# Altium PCB PCB.PcbDoc
Units mm, origin at the board's own origin, x right, y up, seen from the top; angles counter-clockwise.
Board outline 55 x 115 mm, 2 copper layers (Top Layer, Bottom Layer), stack 3 mm thick; 39 components, 19 nets, 99 pads, 21 vias.
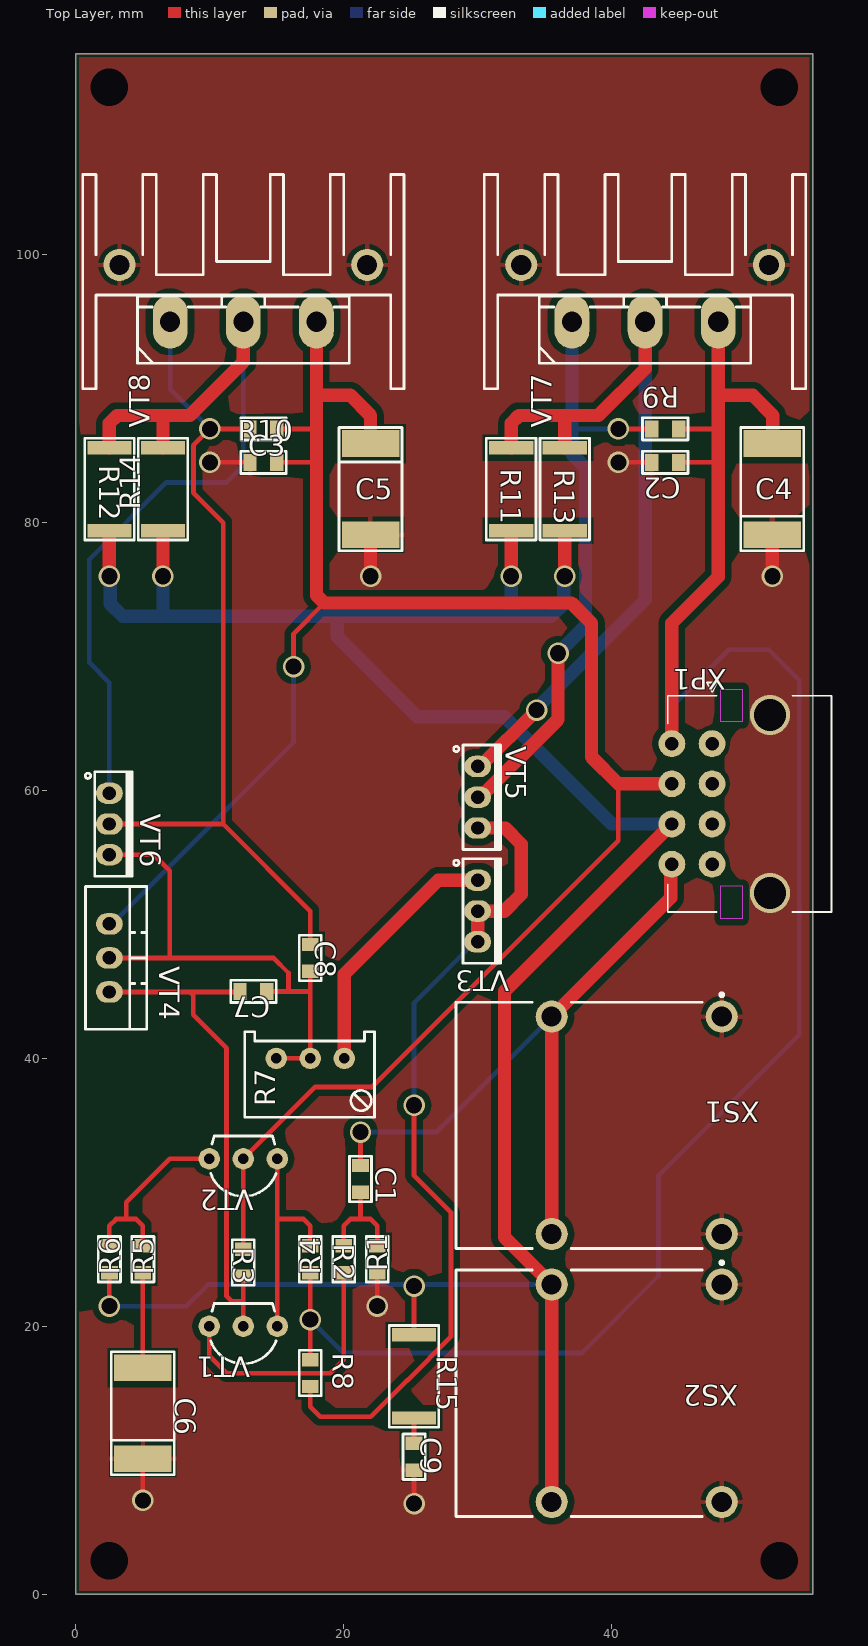
[diagram p0: Top Layer view]
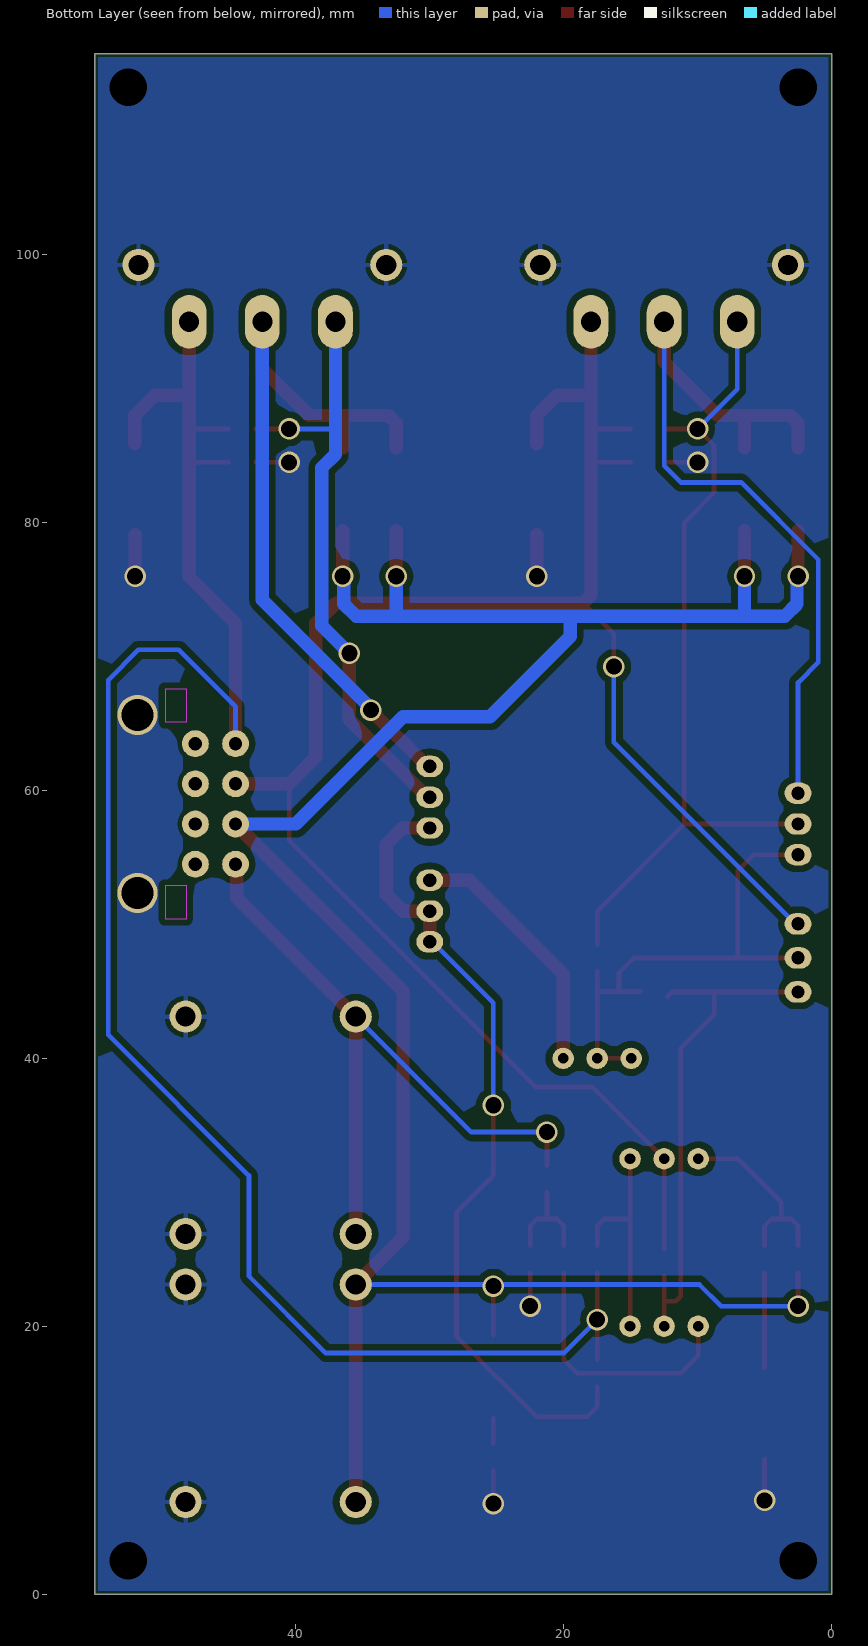
[diagram p1: Bottom Layer view, seen from below]

## Layer stack, top to bottom
Top Solder: solder mask 0.01, Solder Resist, Dk 3.5
Top Layer: signal copper 0.035
Dielectric 1: dielectric 2.93, FR-4, Dk 4.8
Bottom Layer: signal copper 0.035
Bottom Solder: solder mask 0.01, Solder Resist, Dk 3.5

## Board outline
0,0 0,115 55,115 55,0

## Design rules (kind name [scope] priority, off if disabled: settings)
AcuteAngle [All] p1: minimum=3.50000000000000E+0001 checktracksonly=FALSE
BoardOutlineClearance "BoardOutlineClearance 1" [All] p1: gap=0.25 ignorepadtopadclearanceinfootprint=FALSE except(0: Arc-SplitContinuation Track-SplitContinuation SMDPad-SplitContinuation THPad-SplitContinuation Via-SplitContinuation Fill-SplitContinuation Poly-SplitContinuation Region-SplitContinuation Text-SplitContinuation) // Milling
BoardOutlineClearance "BoardOutlineClearance 2" [All] p2: gap=0.4 ignorepadtopadclearanceinfootprint=FALSE except(0: Arc-SplitContinuation Track-SplitContinuation SMDPad-SplitContinuation THPad-SplitContinuation Via-SplitContinuation Fill-SplitContinuation Poly-SplitContinuation Region-SplitContinuation Text-SplitContinuation) // V-Cut
Clearance "Clearance 3 Oz" [All] p1 off: gap=0.5 ignorepadtopadclearanceinfootprint=FALSE except(0.25: Arc-THPad Track-THPad SMDPad-THPad THPad-THPad; 0.35: Arc-Arc Arc-Track Arc-SMDPad Arc-Via Arc-Text Track-Track Track-SMDPad Track-Via Track-Text SMDPad-SMDPad SMDPad-Via SMDPad-Text THPad-Via THPad-Text Via-Via Via-Text Fill-Text Poly-Text Region-Text Text-Text)
Clearance "Clearance 2 Oz" [All] p2 off: gap=0.3 ignorepadtopadclearanceinfootprint=FALSE except(0.25: Arc-Hole Track-Hole SMDPad-Hole THPad-Hole Via-Hole Fill-Hole Poly-Hole Region-Hole Text-Hole)
Clearance "Clearance-1 1 Oz" [All] p3: gap=0.2 ignorepadtopadclearanceinfootprint=FALSE except(0.25: Arc-Hole Track-Hole SMDPad-Hole THPad-Hole Via-Hole Fill-Hole Poly-Hole Region-Hole Text-Hole; 0.5: Arc-Fill Arc-Poly Arc-Region Track-Fill Track-Poly Track-Region SMDPad-Fill SMDPad-Poly SMDPad-Region THPad-Fill THPad-Poly THPad-Region Via-Fill Via-Poly Via-Region Fill-Fill Fill-Poly Fill-Region Poly-Poly Poly-Region Region-Region) // Standart
Clearance "Clearance-2 1 Oz" [All] p4 off: gap=0.15 ignorepadtopadclearanceinfootprint=FALSE except(0.2: Arc-Fill Arc-Poly Track-Fill Track-Poly SMDPad-Fill SMDPad-Poly THPad-Fill THPad-Poly Via-Fill Via-Poly Fill-Fill Fill-Poly Poly-Poly; 0.25: Arc-Hole Track-Hole SMDPad-Hole THPad-Hole Via-Hole Fill-Hole Poly-Hole Region-Hole Text-Hole) // Advance
Clearance "Clearance-1 1/2 Oz" [All] p5 off: gap=0.125 ignorepadtopadclearanceinfootprint=FALSE except(0.2: Arc-Fill Arc-Poly Track-Fill Track-Poly SMDPad-SMDPad SMDPad-Fill SMDPad-Poly THPad-Fill THPad-Poly Via-Fill Via-Poly Fill-Fill Fill-Poly Poly-Poly Poly-Region Poly-Text; 0.25: Arc-Hole Track-Hole SMDPad-Hole THPad-Hole Via-Hole Fill-Hole Poly-Hole Region-Hole Text-Hole) // Standart
Clearance "Clearance-2 1/2 Oz" [All] p6 off: gap=0.1 ignorepadtopadclearanceinfootprint=FALSE except(0.15: Arc-Fill Arc-Poly Track-Fill Track-Poly SMDPad-SMDPad SMDPad-Fill SMDPad-Poly THPad-Fill THPad-Poly Via-Fill Via-Poly Fill-Fill Fill-Poly Poly-Poly Poly-Region Poly-Text; 0.25: Arc-Hole Track-Hole SMDPad-Hole THPad-Hole Via-Hole Fill-Hole Poly-Hole Region-Hole Text-Hole) // Advance
DiffPairsRouting "DiffPairsRouting 1 Oz" [All] p1: maxlimit=0.254 minlimit=0.2 mostfreqgap=0.254 toplayer_minwidth=0.2 toplayer_maxwidth=0.381 toplayer_prefwidth=0.381 bottomlayer_minwidth=0.2 bottomlayer_maxwidth=0.381 bottomlayer_prefwidth=0.381 maxuncoupledlength=12.7
DiffPairsRouting "DiffPairsRouting 1/2 Oz" [All] p2: maxlimit=0.254 minlimit=0.1 mostfreqgap=0.254 toplayer_minwidth=0.1 toplayer_maxwidth=0.381 toplayer_prefwidth=0.381 bottomlayer_minwidth=0.1 bottomlayer_maxwidth=0.381 bottomlayer_prefwidth=0.381 maxuncoupledlength=12.7
Height [All] p1: minheight=0 maxheight=30 prefheight=12.7
HoleSize "Minimum HoleSize" [IsPad] p1: absolutevalues=TRUE maxlimit=5.9 minlimit=0.6 maxpercent=80.000 minpercent=20.000
HoleSize "Minimum HoleSize VIA 1" [IsVia] p2: absolutevalues=TRUE maxlimit=5.9 minlimit=0.3 maxpercent=80.000 minpercent=20.000 // Standart
HoleSize "Minimum HoleSize VIA 2" [IsVia] p3: absolutevalues=TRUE maxlimit=5.9 minlimit=0.2 maxpercent=80.000 minpercent=20.000 // Advance
HoleToHoleClearance Hole2HoleClearance [All] p1: gap=0.25 allowstackedmicrovias=FALSE
MinimumAnnularRing "Minimum AR VIA Standart" [IsVia] p1: minimumring=0.15
MinimumAnnularRing "Minimum AR PAD Standart" [IsPAD] p2: minimumring=0.2
MinimumAnnularRing "Minimum AR VIA Advance" [IsVia] p3: minimumring=0.1
MinimumAnnularRing "Minimum AR PAD Advance" [IsPAD] p4: minimumring=0.15
MinimumSolderMaskSliver "SolderMask Bridge Standart" [All] p1: minsoldermaskwidth=0.15 // All Masks
MinimumSolderMaskSliver "SolderMask Bridge Advance" [All] p2: minsoldermaskwidth=0.1 // Mask LDI
PlaneClearance "PlaneClearance 3 Oz" [All] p1: clearance=0.35
PlaneClearance "PlaneClearance 2 Oz" [All] p2: clearance=0.3
PlaneClearance "PlaneClearance 1 Oz" [All] p3: clearance=0.2
PlaneClearance "PlaneClearance-1 1/2 Oz" [All] p4: clearance=0.2 // Standart
PlaneClearance "PlaneClearance-2 1/2 Oz" [All] p5: clearance=0.15 // Advance
PlaneConnect "TermalConnect 3 Oz" [All] p1: planeconnectstyle=Relief reliefexpansion=0.2 reliefentries=4 reliefconductorwidth=0.35 reliefairgap=0.35 // Standart
PlaneConnect "TermalConnect 2 Oz" [All] p2: planeconnectstyle=Relief reliefexpansion=0.2 reliefentries=4 reliefconductorwidth=0.3 reliefairgap=0.3 // Standart
PlaneConnect "TermalConnect-1 1 Oz" [All] p3: planeconnectstyle=Relief reliefexpansion=0.2 reliefentries=4 reliefconductorwidth=0.2 reliefairgap=0.2 // Standart
PlaneConnect "TermalConnect-2 1 Oz" [All] p4: pad.planeconnectstyle=Relief pad.reliefexpansion=0.15 pad.reliefentries=4 pad.reliefconductorwidth=0.2 pad.reliefairgap=0.2 via.planeconnectstyle=Direct via.reliefexpansion=0.15 via.reliefentries=4 via.reliefconductorwidth=0.15 via.reliefairgap=0.15 // Advance
PlaneConnect "TermalConnect-1 1/2 Oz" [All] p5: planeconnectstyle=Relief reliefexpansion=0.2 reliefentries=4 reliefconductorwidth=0.2 reliefairgap=0.2 // Standart
PlaneConnect "TermalConnect-2 1/2 Oz" [All] p6: pad.planeconnectstyle=Relief pad.reliefexpansion=0.15 pad.reliefentries=4 pad.reliefconductorwidth=0.15 pad.reliefairgap=0.15 via.planeconnectstyle=Direct via.reliefexpansion=0.15 via.reliefentries=4 via.reliefconductorwidth=0.15 via.reliefairgap=0.15 // Advance
PolygonConnect "PolygonConnect 3 Oz" [All] p1: thpad.connectstyle=Relief thpad.reliefconductorwidth=0.35 thpad.reliefentries=4 thpad.polygonreliefangle="90 Angle" thpad.airgapwidth=0.35 smdpad.connectstyle=Relief smdpad.reliefconductorwidth=0.35 smdpad.reliefentries=4 smdpad.polygonreliefangle="90 Angle" smdpad.airgapwidth=0.35 via.connectstyle=Direct via.reliefconductorwidth=0.254 via.reliefentries=4 via.polygonreliefangle="90 Angle" via.airgapwidth=0.254
PolygonConnect "PolygonConnect 2 Oz" [All] p2: thpad.connectstyle=Relief thpad.reliefconductorwidth=0.3 thpad.reliefentries=4 thpad.polygonreliefangle="90 Angle" thpad.airgapwidth=0.3 smdpad.connectstyle=Relief smdpad.reliefconductorwidth=0.3 smdpad.reliefentries=4 smdpad.polygonreliefangle="90 Angle" smdpad.airgapwidth=0.3 via.connectstyle=Direct via.reliefconductorwidth=0.254 via.reliefentries=4 via.polygonreliefangle="90 Angle" via.airgapwidth=0.254
PolygonConnect "PolygonConnect-1 1 Oz" [All] p3: thpad.connectstyle=Relief thpad.reliefconductorwidth=0.2 thpad.reliefentries=4 thpad.polygonreliefangle="90 Angle" thpad.airgapwidth=0.2 smdpad.connectstyle=Relief smdpad.reliefconductorwidth=0.2 smdpad.reliefentries=4 smdpad.polygonreliefangle="90 Angle" smdpad.airgapwidth=0.2 via.connectstyle=Direct via.reliefconductorwidth=0.254 via.reliefentries=4 via.polygonreliefangle="90 Angle" via.airgapwidth=0.254 // Standart
PolygonConnect "PolygonConnect-2 1 Oz" [All] p4: thpad.connectstyle=Relief thpad.reliefconductorwidth=0.15 thpad.reliefentries=4 thpad.polygonreliefangle="90 Angle" thpad.airgapwidth=0.15 smdpad.connectstyle=Relief smdpad.reliefconductorwidth=0.15 smdpad.reliefentries=4 smdpad.polygonreliefangle="90 Angle" smdpad.airgapwidth=0.15 via.connectstyle=Direct via.reliefconductorwidth=0.254 via.reliefentries=4 via.polygonreliefangle="90 Angle" via.airgapwidth=0.254 // Advance
PolygonConnect "PolygonConnect-1 1/2 Oz" [All] p5: thpad.connectstyle=Relief thpad.reliefconductorwidth=0.15 thpad.reliefentries=4 thpad.polygonreliefangle="90 Angle" thpad.airgapwidth=0.2 smdpad.connectstyle=Relief smdpad.reliefconductorwidth=0.2 smdpad.reliefentries=4 smdpad.polygonreliefangle="90 Angle" smdpad.airgapwidth=0.2 via.connectstyle=Direct via.reliefconductorwidth=0.254 via.reliefentries=4 via.polygonreliefangle="90 Angle" via.airgapwidth=0.254 // Standart
PolygonConnect "PolygonConnect-2 1/2 Oz" [All] p6: thpad.connectstyle=Relief thpad.reliefconductorwidth=0.125 thpad.reliefentries=4 thpad.polygonreliefangle="90 Angle" thpad.airgapwidth=0.15 smdpad.connectstyle=Relief smdpad.reliefconductorwidth=0.125 smdpad.reliefentries=4 smdpad.polygonreliefangle="90 Angle" smdpad.airgapwidth=0.15 via.connectstyle=Direct via.reliefconductorwidth=0.254 via.reliefentries=4 via.polygonreliefangle="90 Angle" via.airgapwidth=0.254 // Advance
RoutingCorners [All] p1 off: cornerstyle=45-Degree minsetback=2.54 maxsetback=2.54
RoutingVias [All] p1: holewidth=0.3 width=0.6 viastyle="Through Hole" minholewidth=0.2 minwidth=0.4 maxholewidth=5.9 maxwidth=6.4
ShortCircuit [All] p1 off: allowed=FALSE
SilkToSilkClearance Silk2SilkClearance [All] p1 off: silktosilkclearance=0.15
SilkToSolderMaskClearance Silk2SolderMaskClearance [IsPad] p1 off: minsilkscreentomaskgap=0.15 clearancetoexposedcopper=TRUE
SolderMaskExpansion SolderMaskExpansion-1 [All] p1: expansion=0.05 istentingtop=FALSE // Standart
SolderMaskExpansion "SolderMaskExpansion LDI" [All] p2: expansion=0.025 istentingtop=FALSE // Advance
UnRoutedNet [All] p1: checkbadconnections=TRUE
Width "Width 3 Oz" [All] p1: maxlimit=10 minlimit=0.35 preferedwidth=0.4 checkconnectedcopper=TRUE
Width "Width 2 Oz" [All] p2: maxlimit=10 minlimit=0.3 preferedwidth=0.35 minimp=50.000000 maximp=50.000000 favimp=50.000000 checkconnectedcopper=TRUE
Width "Width 1 Oz" [All] p3: maxlimit=10 minlimit=0.15 preferedwidth=0.2 checkconnectedcopper=TRUE
Width "Width 1/2 Oz" [All] p4: maxlimit=10 minlimit=0.1 preferedwidth=0.125 checkconnectedcopper=TRUE
18 further rules are at their usual default settings.

## Classes and differential pairs
component class principal: C1 C2 C3 C4 C5 C6 C7 C8 C9 R1 R2 R3 R4 R5 R6 R7 R8 R9 R10 R11 R12 R13 R14 R15 VT1 VT2 VT3 VT4 VT5 VT6 VT7 VT8 XP1 XS1 XS2

## Components (designator, comment, footprint, x,y, rotation, side; value= is the part's Value field where it differs from the comment)
C1 "Capacitor" "CAP: 0805" 21.25,31 r270 top
C2 "Capacitor" "CAP: 0805" 44,84.5 r0 top
C3 "Capacitor" "CAP: 0805" 14,84.5 r180 top
C4 "Capactor polar" "CAP: TANTAL-D" 52,82.5 r90 top
C5 "Capactor polar" "CAP: TANTAL-D" 22,82.5 r270 top
C6 "Capactor polar" "CAP: TANTAL-D" 5,13.5 r90 top
C7 "Capacitor" "CAP: 0805" 13.25,45 r0 top
C8 "Capacitor" "CAP: 0805" 17.5,47.5 r90 top
C9 "Capacitor" "CAP: 0805" 25.25,10.25 r270 top
R1 "Resistor" "RES: 0805" 22.5,25 r270 top
R2 "Resistor" "RES: 0805" 20,25 r270 top
R3 "Resistor" "RES: 0805" 12.5,24.75 r90 top
R4 "Resistor" "RES: 0805" 17.5,25 r90 top
R5 "Resistor" "RES: 0805" 5,25 r270 top
R6 "Resistor" "RES: 0805" 2.5,25 r270 top
R7 "POT" POT_3296W 17.5,40 r180 top
R8 "Resistor" "RES: 0805" 17.5,16.5 r270 top
R9 "Resistor" "RES: 0805" 44,87 r0 top
R10 "Resistor" "RES: 0805" 14,87 r0 top
R11 "Resistor" "RES: 2512" 32.5,82.5 r270 top
R12 "Resistor" "RES: 2512" 2.5,82.5 r90 top
R13 "Resistor" "RES: 2512" 36.5,82.5 r270 top
R14 "Resistor" "RES: 2512" 6.5,82.5 r90 top
R15 "Resistor" "RES: 2512" 25.25,16.25 r270 top
VT1 "Transistor_PNP" TO92_3FB 12.5,20 r180 top
VT2 "Transistor_PNP" TO92_3FB 12.5,32.5 r180 top
VT3 "BD139G" TO126_3 30,51 r270 top
VT4 "BD139G" TO220_3 2.5,47.5 r270 top
VT5 "BD139G" TO126_3 30,59.5 r270 top
VT6 "Transistor_PNP" TO126_3 2.5,57.5 r270 top
VT7 "Transistor_PNP" TO247_3 42.5,95 r0 top
VT8 "BD139G" TO247_3 12.5,95 r0 top
XP1 "CONN" MOLEX_430450821 47.5,63.5 r90 top
XS1 "Audio" FP-NMJ4HFD2-MFG 45,35 r0 top
XS2 "Audio" FP-NMJ4HFD2-MFG 45,15 r0 top
ZBOAS217087079 "Comment" "BOASVIEWlayer:Top Layer:2:1:1:1" 17.5,2195 r0 top (schematic designator fewf)
ZBOAS768296036 "Comment" "BOASVIEWside:Вид платы слева:2:0:0:0" 157.5,2422.5 r0 top
ZBOAS886387079 "Comment" "BOASVIEWlayer:Bottom Layer:2:-2:32:1" 187.5,2195 r180 top (schematic designator fewf)
ZBOAS1590597808 "Comment" "BOASVIEWdrill:Таблица отверстий:0:0:0:0" 366.37,2467.5 r0 top

## Footprints (in the part's own frame and the unit in brackets; to place one, negate y for a bottom-side part, rotate by r counter-clockwise, add the part's x,y. Pads: shape width x height; smd on the part's side, far side on the other; paste and mask are expansions set on the pad)
"BOASVIEWdrill:Таблица отверстий:0:0:0:0" [mm]
"BOASVIEWlayer:Bottom Layer:2:-2:32:1" [mm]
"BOASVIEWlayer:Top Layer:2:1:1:1" [mm]
"BOASVIEWside:Вид платы слева:2:0:0:0" [mm]
"CAP: 0805" [mm] "CAP, POLYESTER, 10X5.5mm pitch: 7.6mm"
  rect 1x1.25 smd: 1(-1,0) 2(1,0)
  silkscreen extent -1.7,-0.82 1.7,0.82, body extent -1,-0.62 1,0.63, height 0.78
"CAP: TANTAL-D" [mm] "Cap Elec, D12.0X25.0H pitch: 5.0mm, RB.2/.5"
  rect 2x4.3 smd: 1(-3.4,0) 2(3.4,0)
  silkscreen extent -4.6,-2.35 4.6,2.35, body extent -3.7,-2.22 3.7,2.23, height 3.01
FP-NMJ4HFD2-MFG [mm]
  round 2.4 hole 1.5: 1(-9.475,-8.115) 1(-9.475,8.115) 2(3.225,-8.115) 2(3.225,8.115)
  silkscreen extent -16.63,-9.2 3.35,9.87, body extent -16.73,-9.3 16.73,9.3, height 0.25
MOLEX_430450821 [mm]
  round 3 hole 2.4 mask+0.076: 1(-11.15,-4.32) 1(2.15,-4.32)
  round 2 hole 1: 1(-9,3) 2(-9,0) 3(-6,3) 4(-6,0) 5(-3,3) 6(-3,0) 7(0,3) 8(0,0)
  Keep-Out Layer region: -10.625,-2.26 -13.075,-2.26 -13.075,-0.66 -10.625,-0.66
  Keep-Out Layer region: 4.075,-2.26 1.625,-2.26 1.625,-0.66 4.075,-0.66
  silkscreen extent -12.57,-8.92 4.57,3.32, body extent -12.62,-8.92 3.58,3.32, height 9.27
POT_3296W [mm] "POT, TRIM, 10.0X5.0mm, pitch: 2.5mm 3299W 3296W S64W"
  round 1.6 hole 0.8: 1(-2.54,0) 2(0,0) 3(2.54,0)
  silkscreen extent -4.8,-2 4.9,4.4, body extent -4.73,-1.85 4.8,4.25, height 11.56
"RES: 0805" [mm] "RESISTOR 1/8 WATT, AXIAL0.25"
  rect 1x1.25 smd: 1(-1,0) 2(1,0)
  silkscreen extent -1.7,-0.82 1.7,0.82, body extent -1,-0.6 1,0.6, height 0.44
"RES: 2512" [mm]
  rect 1x3.3 smd: 1(-3.1,0) 2(3.1,0)
  silkscreen extent -3.8,-1.85 3.8,1.85, body extent -3.18,-1.6 3.18,1.6, height 0.52
TO92_3FB [mm] "TO-92 formed leads, TO-226, SOT54A"
  round 1.6 hole 0.8: 1(-2.54,0) 2(0,0) 3(2.54,0)
  silkscreen extent -2.44,-1.7 2.44,2.8, body extent -2.75,-1.85 2.75,2.5, height 8.2
TO126_3 [mm] "TO126, TO-126, SOT32 (PHIPLIPS), pitch: 2.3mm, 8X3mm"
  oval 1.6x2 hole 1: 1(-2.3,0) 2(0,0) 3(2.3,0)
  silkscreen extent -3.9,-1.8 3.9,1.7, body extent -3.8,-1 3.8,1.55, height 13.19
TO220_3 [mm] "TO-220 3 LEAD, TO-262, pitch: 2.54mm  10x4.5mm"
  oval 1.6x2 hole 1: 1(-2.54,0) 2(0,0) 3(2.54,0)
  silkscreen extent -5.33,-1.78 5.33,2.79, body extent -5.2,-1.85 5.2,2.65, height 19
TO247_3 [mm] "TO247, TO-247, TO-3P pitch: 5.5mm 16x5mm, TO-218"
  oval 2.6x4 hole 1.5: 1(5.461,0) 2(0,0) 3(-5.461,0)
  round 2.4 hole 1.5: 4(-9.25,4.25) 4(9.25,4.25)
  silkscreen extent -12,-5 12,11, body extent -12,-5 12,11, height 25

## Part data
R1 R2 R3 R4 R5 R6 R8 R9 R10 R11 R12 R13 R14 R15: Case Code (Imperial)=2512, Case Code (Metric)=6432, Max Operating Temperature=125°C, Max Power Dissipation=1W, Min Operating Temperature=-55°C, Package Quantity=1, Resistance=51R, Resistor Type="Thick Film", Temperature Coefficient=200ppm/°C, Tolerance=5%, Voltage Rating (DC)=200V, Case/Package=2512, Height=0.028inch, Lead Free="Lead Free", Length=0.248inch, Mount="Surface Mount", Number of Terminations=2, Packaging="Tape and Reel", Power Rating=1W, RoHS Compliant=Yes, Series=MCR, Size Code=2512, Width=0.126inch
VT3 VT4 VT5 VT8: library part Transistor_NPN, Case/Package=TO-225, Collector Base Voltage (VCBO)=80V, Collector Emitter Saturation Voltage=500mV, Current Rating=1.5A, Emitter Base Voltage (VEBO)=5V, Manufacturer Lifecycle Status=ACTIVE, Max Junction Temperature (Tj)=150°C, Max Power Dissipation=1.25W, Min Operating Temperature=-55°C, Collector Emitter Breakdown Voltage=80V, Collector Emitter Voltage (VCEO)=80V, Contact Plating=Tin, Element Configuration=Single, Height=11.04mm, hFE Min=25, Lead Free="Lead Free", Length=7.74mm, Lifecycle Status=Production, Max Collector Current=1.5A, Max Operating Temperature=150°C, NexarPartId=354669, Number of Elements=1, Number of Pins=3, Packaging=Bulk, Polarity=NPN, Power Dissipation=1.25W, Radiation Hardening=No, REACH SVHC="No SVHC", RoHS=Compliant, Schedule B="8541290080, 8541290080|8541290080, 8541290080|8541290080|8541290080, 8541290080|8541290080|8541290080|8541290080", Voltage Rating (DC)=80V, Weight=4.535924g, Width=2.66mm

## Free pads (board coordinates)
  round 2.2 hole 2.8: 0(2.5,2.5) 0(2.5,112.5) 0(52.5,2.5) 0(52.5,112.5)

## Via types
v1: diameter 1.6, hole 1.2, Top Layer to Bottom Layer, 21 vias

## Nets (pads, with @x,y where several pads share a name; then routed paths per layer and width w, separated by ;. In a path a pad name is that pad's centre, name@x,y a point inside that pad or via, vN(x,y) a via of type N, cw(c..) or ccw(c..) an arc to the next point about the centre after c; other vN are vias at no path point)
GND: C2.1 C3.2 C4.1 C5.2 C6.1 C9.2 pad.0 R1.2 VT7.4 VT8.4 XP1.1@51.82,52.35 XP1.1@51.82,65.65 XP1.2 XP1.4 XP1.6 XP1.8 XS1.2 XS2.2 | length 19.3
  Top Layer w0.35: v1(5,7) C6.1 ; v1(10,84.5) C3.2@12.5,84.5 ; v1(22.5,21.5) R1.2 ; v1(25.25,6.75) C9.2 ; v1(40.5,84.5) C2.1
  Top Layer w1: v1(22,76) C5.2 ; v1(52,76) C4.1
NetC1_1: C1.1 XP1.1@44.5,54.5 XS1.1 | length 51.7
  Top Layer w0.35: C1.1 v1(21.25,34.5)
  Top Layer w1: XS1.1@35.525,26.885 35.525,43.115 44.41,52 44.41,54.41 XP1.1@44.5,54.5
  Bottom Layer w0.35: v1(21.25,34.5) 26.91,34.5 XS1.1@35.525,43.115
NetC1_2: C1.2 R1.1 R2.1 | length 7.9
  Top Layer w0.35: R2.1 20,27.5 20.5,28 21.25,28 ; C1.2 21.25,28 ; R1.1 22.5,27.5 22,28 21.25,28
NetC2_2: C2.2 C4.2 R4.1 R8.1 R9.2 VT7.1 XP1.7 | length 145.3
  Top Layer w0.35: R8.1 v1(17.5,20.5) R4.1 ; C2.2 47.961,84.5 ; R9.2 47.961,87
  Top Layer w1: XP1.7 44.5,72.5 47.961,75.961 47.961,84.5 47.961,87 VT7.1 ; 48,89.5 50.539,89.5 52.039,88 C4.2@52.039,85.9
  Bottom Layer w0.35: v1(17.5,20.5) 20,18 37.75,18 43.5,23.75 43.5,31.25 54,41.75 54,68.25 51.75,70.5 48.75,70.5 44.5,66.25 XP1.7
NetC3_1: C3.1 C5.1 R3.2 R10.2 VT2.2 VT4.1 VT8.1 XP1.5 | length 150.9
  Top Layer w0.35: R3.2 VT2.2 17.87,37.87 22.12,37.87 40.5,56.25 40.5,60.5 ; C3.1 17.961,84.5 ; R10.2 17.961,87 ; v1(16.25,69.25) 16.25,71.703 18.547,74
  Top Layer w1: VT8.1 17.961,89.5 ; C5.1 22,88 20.5,89.5 17.961,89.5 ; XP1.5 40.5,60.5 38.5,62.5 38.5,72.5 37,74 18.547,74 17.961,74.586 17.961,89.5
  Bottom Layer w0.35: VT4.1 2.7,50.04 16.25,63.59 v1(16.25,69.25)
NetC6_2: C6.2 R5.2 | length 7.1
  Top Layer w0.35: C6.2 R5.2
NetC7_1: C7.1 R3.1 VT1.2 VT4.3 | length 38.9
  Top Layer w0.35: VT4.3 2.51,44.95 8.5,44.95 ; C7.1@12.25,44.625 11.925,44.95 8.5,44.95 ; VT1.2 12.5,21.875 ; R3.1 12.5,21.875 ; 8.5,44.95 8.75,44.7 8.75,43.25 11.25,40.75 11.25,36.25 11.25,22.25 11.625,21.875 12.5,21.875
NetC7_2: C7.2 C8.1 R7.2 R7.3 VT4.2 VT6.3 | length 39
  Top Layer w0.35: VT4.2 7,47.5 ; VT6.3 5.8,55.2 7,54 7,47.5 ; C7.2 15.875,45 ; R7.3 R7.2 17.5,45 ; C8.1 17.5,45 ; 7,47.5 14.75,47.5 15.875,46.375 15.875,45 ; 15.875,45 17.5,45
NetC8_2: C8.2 R10.1 VT6.2 VT8.3 | length 62.8
  Top Layer w0.35: VT6.2 11,57.5 ; R10.1@12.5,87 v1(10,87) 8.775,85.775 8.775,82.225 11,80 11,57.5 ; C8.2 17.5,51 11,57.5
  Bottom Layer w0.35: VT8.3 7.039,89.961 v1(10,87)
NetC9_1: C9.1 R15.2 | length 1.9
  Top Layer w0.35: C9.1 R15.2
NetR2_2: R2.2 VT1.3 | length 19.7
  Top Layer w0.35: VT1.3 9.96,17.79 11.25,16.5 19,16.5 20,17.5 R2.2
NetR4_2: R4.2 VT1.1 VT2.1 | length 16.7
  Top Layer w0.35: VT1.1 15.04,28 ; VT2.1 15.04,28 ; R4.2 17.5,27.5 17,28 15.04,28
NetR5_1: R5.1 R6.1 VT2.3 | length 14.7
  Top Layer w0.35: R6.1 2.5,27.5 3,28 3.75,28 ; R5.1 5,27.5 4.5,28 3.75,28 ; VT2.3 7,32.5 3.75,29.25 3.75,28
NetR6_2: R6.2 R11.2 R12.1 R13.2 R14.1 R15.1 XP1.3 XS2.1 | length 187.8
  Top Layer w0.35: v1(2.5,21.5) R6.2 ; R15.1 v1(25.25,23)
  Top Layer w1: v1(2.5,76) R12.1 ; v1(6.5,76) R14.1 ; v1(32.5,76) R11.2 ; XS2.1@35.525,6.885 35.525,23.115 32,26.64 32,45 XP1.3 ; v1(36.5,76) R13.2
  Bottom Layer w0.35: v1(2.5,21.5) 8.25,21.5 9.865,23.115 XS2.1@35.525,23.115
  Bottom Layer w1: v1(2.5,76) 2.577,75.923 2.577,73.923 3.5,73 6.5,73 ; v1(6.5,76) 6.5,73 ; v1(32.5,76) 32.5,73 ; v1(36.5,76) 36.423,75.923 36.423,73.923 35.5,73 32.5,73 ; XP1.3 40,57.5 32,65.5 25.5,65.5 19.5,71.5 19.5,73 ; 6.5,73 19.5,73 ; 19.5,73 32.5,73
NetR7_1: R7.1 VT3.1 | length 19.2
  Top Layer w1: R7.1 20.04,46.29 27.05,53.3 VT3.1
NetR8_2: R8.2 VT3.2 VT3.3 VT5.3 | length 61.1
  Top Layer w0.35: R8.2 17.5,14 18.25,13.25 22,13.25 24.691,15.941 24.734,15.941 28,19.208 28,28.5 25.25,31.25 v1(25.25,36.5)
  Top Layer w1: VT3.3 VT3.2 32,51 33.25,52.25 33.25,56 32.05,57.2 VT5.3
  Bottom Layer w0.35: v1(25.25,36.5) 25.25,44.15 29.8,48.7 VT3.3
NetR9_1: R9.1 VT5.2 VT7.3 | length 45.2
  Top Layer w0.35: v1(40.5,87) R9.1
  Top Layer w1: VT5.2@30.2,59.5 36,65.3 v1(36,70.25)
  Bottom Layer w0.35: 37.039,87.211 37.25,87 v1(40.5,87)
  Bottom Layer w1: v1(36,70.25) 38.05,72.3 38.05,84.107 37.039,85.118 37.039,87.211 VT7.3
NetR11_1: R11.1 R13.1 VT5.1 VT7.2 | length 57.9
  Top Layer w1: VT5.1 30.2,61.8 v1(34.4,66) ; R11.1 32.5,87.414 33.086,88 39,88 42.5,91.5 VT7.2 ; R13.1 36.5,87.957
  Bottom Layer w1: v1(34.4,66) 34.4,66.15 42.5,74.25 VT7.2
NetR12_2: R12.2 R14.2 VT6.1 VT8.2 | length 62.4
  Top Layer w1: R12.2 2.5,87.414 3.086,88 6.543,88 ; R14.2 6.5,87.957 6.543,88 ; VT8.2 12.5,92 8.5,88 6.543,88
  Bottom Layer w0.35: VT6.1 2.5,68.064 1,69.564 1,77.25 6.75,83 11.25,83 12.5,84.25 VT8.2

## Polygon pours and split planes (outlines as drawn)
GND on Bottom Layer "GND_L02_P003" (solid, remove dead copper, pour order 3): 0,115 55,115 55,0 0,0
GND on Bottom Layer "NONET_L02_P000" (solid, remove dead copper, shelved, pour order 0): 0,115 55,115 55,0 0,0
GND on Top Layer "GND_L01_P002" (solid, remove dead copper, pour order 2): 0,115 55,115 55,0 0,0
GND on Top Layer "NONET_L01_P001" (solid, remove dead copper, shelved, pour order 1): 0,115 55,115 55,0 0,0

## Silkscreen, mask and mechanical layers (free items; w line width, h text height)
Mechanical 1:
  the board outline again, w0.5
Mechanical 7:
  text "BOASFORMAT|А2|1|0|834645670|233858267|1000000000|2:1|" at -37.63,2523.175 h0
  text "DimV|0|-90551181|65011781|961348425|3937008|-43307086|2||||js12|False|True|False|False|2" at 127.5,2425 h0
  text "DimH|-43307086|0|65011781|961348425|-21653543|2952756|2||||js12|False|True|False|False|2" at 127.5,2425 h0
  text "DimH|-1968504|0|78791309|960364173|-984252|3937008|2||±0,3||js12|False|False|False|False|2" at 162.5,2422.5 h0
  text "DimH|-2362205|0|79185010|960167323|-1574803|4527559|2||±0,3||js12|False|False|False|False|2" at 163.5,2422 h0
  text "SET2|Superlayer=MechanicalLayer7|Wsuperlayer=MechanicalLayer8|Layergrid=MechanicalLayer9|Werase=MechanicalLayer11|Layermark=MechanicalLayer12|Layerstamp=MechanicalLayer13|Gridline=0,1|Boardline=0,6|Contourpolygonline=0,3|PcbGridStep=1|PcbGridNumbering=False|PcbGridCleareanceAtView=0|PcbGridNumberEach=l5|PcbGridLineEach=l1|PcbGridCountSecondaryStrip=9|PcbGridEnabledStrip=True|PcbGridHorizontal90=False|PcbGridWhiteAreaBeforeText=False|PcbSignalGridEnabled=True|PcbSignalShowBukva=False|RealSignalLayerNames=False|PcbGridTextsEnabledBothSide=l2|PcbGridEnabledBothSide=l2|PcbPolarGridEnabled=False|PcbPolarGridAngleStep=10|PcbPolarGridRadialStep=10|PcbPolarGridCenterPcbGrid=False|SilkShowPad=True|SilkViewName=Слой маркировки|SilkShowHole=True|SilkShowAxis=True|SilkShowBukva=True|SilkShowGrid=False|SolderShowGrid=False|SolderViewName=Слой маски|SolderShowAxis=False|SolderShowBukva=False|MainViewShowGrid=False|MainViewMinDiameterHoles=2|MainViewUseShapesDrill=False|ShowBukvaOnSboky=True|ShowBukvaViews=True|Density=2,2|CustomHoleSizeFactor=2|PcbDoubleLineHeader=False|PcbAccuracy=a4|TableName=Таблица 1|RazrezWidth=100|RealLayerNames=False|RazrezShowBukva=False|RazrezBukva=В-В|Sher=Ra 25|Asstoplayer=MechanicalLayer1|Asstoplayer2=None|Assbottomlayer=MechanicalLayer2|Assbottomlayer2=None|AssMinDiameterHoles=2|AssDim=False|AssMech=False|AssSilk=False|AssComponentSilk=False|AssFreeSilk=False|AssSmdPads=False|AssGridEnable=False|AssShowBukva=True|Mirror=Horisontal|PcbGridFontSize=5|PcbGridCenterZero=False|TTStampDistance=12|MainFontSize=3,5|PolyShtrihEnable=True|RegionShtrihEnable=False|PolyStep=2|PcbDrillDrawingGridEnabled=True|PcbDrillDrawingViewName=Слой сверловки|PcbDrillDrawingShowBukva=False|PcbDrillDrawingShowAxis=True|PcbSignalLayersUseDrill=True|PcbSignalLayersUseWhiteHoles=True|PcbSignalLayersUseShapesDrill=True|PcbSignalLayersShowAxis=False|Thinline=0,15|Basicline=0,6" at -37.63,-16.8 h0
  text "BOASVIADRILLTABLE:circle0100,472441,21,js12" at -37.63,-16.825 h0
  text "2BOASDRILLTABLE:circle0001,314961,Да,9,True,js12|circle1101,393701,Да,20,True,js12|circle0110,590551,Да,18,True,js12|circle1010,944882,Да,2,True,H14|circle0101,1102362,Да,4,True,H14" at -37.63,-16.825 h0
Mechanical 8:
  region: 163.577,2433.423 165.285,2432.761 168.999,2432.27 169,2433.404 168.068,2433.405 168.5,2432.842 163.577,2433.497
  region: 163.577,2433.577 165.285,2434.239 168.999,2434.73 169,2433.596 168.068,2433.595 168.5,2434.158 163.577,2433.503
  region: 157.423,2433.577 155.715,2434.239 152.001,2434.73 152,2433.596 152.932,2433.595 152.5,2434.158 157.423,2433.503
  region: 157.423,2433.423 155.715,2432.761 152.001,2432.27 152,2433.404 152.932,2433.405 152.5,2432.842 157.423,2433.497
  region: 137.423,2424.923 136.761,2423.215 136.27,2419.501 137.404,2419.5 137.405,2420.432 136.842,2420 137.497,2424.923
  region: 137.577,2424.923 138.239,2423.215 138.73,2419.501 137.596,2419.5 137.595,2420.432 138.158,2420 137.503,2424.923
  region: 137.577,2195.077 138.239,2196.785 138.73,2200.499 137.596,2200.5 137.595,2199.568 138.158,2200 137.503,2195.077
  region: 137.423,2195.077 136.761,2196.785 136.27,2200.499 137.404,2200.5 137.405,2199.568 136.842,2200 137.497,2195.077
  region: 127.423,2432.577 125.715,2433.239 122.001,2433.73 122,2432.596 122.932,2432.595 122.5,2433.158 127.423,2432.503
  region: 127.423,2432.423 125.715,2431.761 122.001,2431.27 122,2432.404 122.932,2432.405 122.5,2431.842 127.423,2432.497
  region: 17.577,2432.423 19.285,2431.761 22.999,2431.27 23,2432.404 22.068,2432.405 22.5,2431.842 17.577,2432.497
  region: 17.577,2432.577 19.285,2433.239 22.999,2433.73 23,2432.596 22.068,2432.595 22.5,2433.158 17.577,2432.503
Mechanical 9:
  region: 163.5,2433.5 168.5,2434.158 168,2433.5 168.5,2432.842
  region: 157.5,2433.5 152.5,2432.842 153,2433.5 152.5,2434.158
  region: 137.5,2425 138.158,2420 137.5,2420.5 136.842,2420
  region: 137.5,2195 136.842,2200 137.5,2199.5 138.158,2200
  region: 127.5,2432.5 122.5,2431.842 123,2432.5 122.5,2433.158
  region: 17.5,2432.5 22.5,2433.158 22,2432.5 22.5,2431.842
  lines w0.15: 17.5,2425 17.5,2433.5 ; 17.5,2432.5 127.5,2432.5 ; 127.5,2195 138.5,2195 ; 127.5,2433.5 127.5,2425 138.5,2425 ; 137.5,2195 137.5,2425 ; 138.071,2433.5 171.5,2433.5 ; 157.5,2422 157.5,2434.5 ; 163.5,2422 163.5,2434.5
  text "3" at 142.191,2436.03 h5.38
  text "±0,3" at 144.226,2436.03 h5.38
  text "55±0,15" at 66.735,2435.03 h5.38
  text "115±0,175" at 134.97,2303.138 h5.38 r90
Top 3D Body:
  lines w0.15: 366.37,2113.175 431.37,2113.175 ; 366.37,2118.175 431.37,2118.175 ; 366.37,2123.175 431.37,2123.175 ; 366.37,2128.175 431.37,2128.175 ; 366.37,2133.175 431.37,2133.175 ; 366.37,2148.175 431.37,2148.175 ; 366.37,2153.175 431.37,2153.175 ; 366.37,2158.175 431.37,2158.175 ; 506.33,2128.175 506.33,2143.175 ; 511.35,2128.175 511.35,2143.175 ; 528.07,2505.275 531.17,2499.875 536.77,2509.675 ; -37.63,2103.175 556.37,2103.175 556.37,2523.175 -37.63,2523.175 -37.63,2103.175
  lines w0.6: -29.63,2133.175 -17.63,2133.175 ; -29.63,2168.175 -17.63,2168.175 ; -29.63,2193.175 -17.63,2193.175 ; -29.63,2218.175 -17.63,2218.175 ; -29.63,2335.175 -17.63,2335.175 ; -24.63,2108.175 -24.63,2253.175 ; -24.63,2275.175 -24.63,2395.175 ; -17.63,2253.175 -29.63,2253.175 -29.63,2108.175 -17.63,2108.175 ; -17.63,2275.175 -29.63,2275.175 -29.63,2395.175 -17.63,2395.175 ; -17.63,2504.175 52.37,2504.175 52.37,2518.175 ; 366.37,2108.175 366.37,2163.175 551.37,2163.175 ; 366.37,2138.175 431.37,2138.175 ; 366.37,2143.175 431.37,2143.175 ; 373.37,2138.175 373.37,2163.175 ; 383.37,2108.175 383.37,2163.175 ; 406.37,2108.175 406.37,2163.175 ; 421.37,2108.175 421.37,2163.175 ; 431.37,2108.175 431.37,2163.175 551.37,2163.175 ; 431.37,2123.175 501.37,2123.175 551.37,2123.175 ; 431.37,2148.175 551.37,2148.175 ; 488.37,2507.175 493.37,2498.175 500.97,2512.175 ; 501.07,2512.175 543.37,2512.175 ; 501.37,2108.175 501.37,2148.175 ; 501.37,2128.175 551.37,2128.175 ; 501.37,2143.175 516.37,2143.175 551.37,2143.175 ; 516.37,2128.175 516.37,2148.175 ; 521.94,2123.175 521.94,2128.175 ; 533.37,2128.175 533.37,2148.175 ; 551.37,2171.175 551.37,2163.175 ; -17.63,2108.175 551.37,2108.175 551.37,2518.175 -17.63,2518.175 -17.63,2108.175
  text "Ra 25" at 501.07,2499.875 h10.75
  text "(" at 524.37,2499.875 h10.75
  text ")" at 535.37,2499.875 h10.75
  text "Перв. примен." at -25.592,2355.154 h5.38 r90
  text "Справ. №" at -25.592,2297.679 h5.38 r90
  text "Подп. и дата" at -25.592,2225.746 h5.38 r90
  text "Инв. № дубл." at -25.592,2196.261 h5.38 r90
  text "Взам. инв. №" at -25.592,2171.283 h5.38 r90
  text "Лит." at 505.564,2144.137 h5.38
  text "Масса" at 520.286,2144.137 h5.38
  text "Масштаб" at 535.206,2144.137 h5.38
  text "Подп. и дата" at -25.592,2141.246 h5.38 r90
  text "Изм." at 366.939,2139.137 h5.38
  text "Лист" at 374.228,2139.137 h5.38
  text "№ докум." at 388.37,2139.137 h5.38
  text "Подп." at 410.143,2139.137 h5.38
  text "Дата" at 422.163,2139.137 h5.38
  text "Разраб." at 366.903,2133.946 h5.38
  text "42 г" at 520.018,2133.478 h7.68
  text "2:1" at 539.157,2133.478 h7.68
  text "Пров." at 366.903,2128.946 h5.38
  text "Т.контр." at 366.903,2123.946 h5.38
  text "Лист" at 502.812,2123.946 h5.38
  text "Листов" at 523.855,2123.946 h5.38
  text "1" at 543.77,2123.946 h5.38
  text "Н.контр." at 366.903,2113.946 h5.38
  text "Инв. № подл." at -25.592,2111.261 h5.38 r90
  text "Утв." at 366.903,2108.946 h5.38
  text "Копировал" at 441.903,2103.946 h5.38
  text "Формат А2" at 522.491,2103.946 h5.38

## Text inside footprints (layer, text, board x,y; h text height)
ZBOAS217087079: Mechanical 7 "0" at 9.912,2192.497 h8.75; Mechanical 7 "5" at 9.75,2202.497 h8.75; Mechanical 7 "10" at 8.583,2212.497 h8.75; Mechanical 7 "15" at 8.68,2222.497 h8.75; Mechanical 7 "20" at 6.437,2232.497 h8.75; Mechanical 7 "25" at 6.534,2242.497 h8.75; Mechanical 7 "30" at 6.793,2252.497 h8.75; Mechanical 7 "35" at 6.89,2262.497 h8.75; Mechanical 7 "40" at 6.801,2272.497 h8.75; Mechanical 7 "45" at 6.898,2282.497 h8.75; Mechanical 7 "50" at 6.793,2292.497 h8.75; Mechanical 7 "55" at 6.89,2302.497 h8.75; Mechanical 7 "60" at 6.696,2312.497 h8.75; Mechanical 7 "65" at 6.793,2322.497 h8.75; Mechanical 7 "70" at 7.506,2332.497 h8.75; Mechanical 7 "75" at 7.603,2342.497 h8.75; Mechanical 7 "80" at 6.696,2352.497 h8.75; Mechanical 7 "85" at 6.793,2362.497 h8.75; Mechanical 7 "90" at 7.15,2372.497 h8.75; Mechanical 7 "95" at 7.247,2382.497 h8.75; Mechanical 7 "100" at 5.368,2392.497 h8.75; Mechanical 7 "105" at 5.465,2402.497 h8.75; Mechanical 7 "110" at 6.437,2412.497 h8.75; Mechanical 7 "115" at 6.534,2422.497 h8.75; Mechanical 7 "0" at 15.706,2186.122 h8.75; Mechanical 7 "5" at 25.625,2186.122 h8.75; Mechanical 7 "10" at 35.042,2186.122 h8.75; Mechanical 7 "15" at 45.09,2186.122 h8.75; Mechanical 7 "20" at 53.968,2186.122 h8.75; Mechanical 7 "25" at 64.017,2186.122 h8.75; Mechanical 7 "30" at 74.147,2186.122 h8.75; Mechanical 7 "35" at 84.195,2186.122 h8.75; Mechanical 7 "40" at 94.151,2186.122 h8.75; Mechanical 7 "45" at 104.199,2186.122 h8.75; Mechanical 7 "50" at 114.147,2186.122 h8.75; Mechanical 7 "55" at 124.195,2186.122 h8.75
ZBOAS886387079: Mechanical 7 "0" at 301.5,2192.497 h8.75; Mechanical 7 "5" at 301.5,2202.497 h8.75; Mechanical 7 "10" at 301.5,2212.497 h8.75; Mechanical 7 "15" at 301.5,2222.497 h8.75; Mechanical 7 "20" at 301.5,2232.497 h8.75; Mechanical 7 "25" at 301.5,2242.497 h8.75; Mechanical 7 "30" at 301.5,2252.497 h8.75; Mechanical 7 "35" at 301.5,2262.497 h8.75; Mechanical 7 "40" at 301.5,2272.497 h8.75; Mechanical 7 "45" at 301.5,2282.497 h8.75; Mechanical 7 "50" at 301.5,2292.497 h8.75; Mechanical 7 "55" at 301.5,2302.497 h8.75; Mechanical 7 "60" at 301.5,2312.497 h8.75; Mechanical 7 "65" at 301.5,2322.497 h8.75; Mechanical 7 "70" at 301.5,2332.497 h8.75; Mechanical 7 "75" at 301.5,2342.497 h8.75; Mechanical 7 "80" at 301.5,2352.497 h8.75; Mechanical 7 "85" at 301.5,2362.497 h8.75; Mechanical 7 "90" at 301.5,2372.497 h8.75; Mechanical 7 "95" at 301.5,2382.497 h8.75; Mechanical 7 "100" at 301.5,2392.497 h8.75; Mechanical 7 "105" at 301.5,2402.497 h8.75; Mechanical 7 "110" at 301.5,2412.497 h8.75; Mechanical 7 "115" at 301.5,2422.497 h8.75; Mechanical 7 "0" at 295.706,2186.122 h8.75; Mechanical 7 "5" at 285.625,2186.122 h8.75; Mechanical 7 "10" at 275.042,2186.122 h8.75; Mechanical 7 "15" at 265.09,2186.122 h8.75; Mechanical 7 "20" at 253.968,2186.122 h8.75; Mechanical 7 "25" at 244.017,2186.122 h8.75; Mechanical 7 "30" at 234.147,2186.122 h8.75; Mechanical 7 "35" at 224.195,2186.122 h8.75; Mechanical 7 "40" at 214.151,2186.122 h8.75; Mechanical 7 "45" at 204.199,2186.122 h8.75; Mechanical 7 "50" at 194.147,2186.122 h8.75; Mechanical 7 "55" at 184.195,2186.122 h8.75
ZBOAS1590597808: Mechanical 12 "Таблица 1" at 366.37,2469 h5.38; Mechanical 12 "Условное" at 379.182,2462.962 h5.38; Mechanical 12 "обозначение отв." at 373.152,2456.962 h5.38; Mechanical 12 "Диаметр отв.," at 414.545,2462.962 h5.38; Mechanical 12 "мм" at 423.26,2456.962 h5.38; Mechanical 12 "Диаметр контактной" at 445.87,2462.962 h5.38; Mechanical 12 "площадки, мм" at 452.386,2456.962 h5.38; Mechanical 12 "Наличие" at 492.538,2462.962 h5.38; Mechanical 12 "металлизации" at 487.697,2456.962 h5.38; Mechanical 12 "Кол." at 523.489,2462.962 h5.38; Mechanical 12 "отв." at 523.335,2456.962 h5.38; Mechanical 12 "21" at 524.452,2450.712 h5.38; Mechanical 12 "1,2±0,05" at 422.036,2450.712 h5.38; Mechanical 12 "Да" at 496.75,2450.712 h5.38; Mechanical 12 "1,6" at 461.168,2450.712 h5.38; Mechanical 12 "9" at 525.407,2444.212 h5.38; Mechanical 12 "0,8±0,05" at 421.504,2444.212 h5.38; Mechanical 12 "Да" at 496.75,2444.212 h5.38; Mechanical 12 "1,6" at 461.168,2444.212 h5.38; Mechanical 12 "20" at 524.201,2437.712 h5.38; Mechanical 12 "1±0,05" at 423.27,2437.712 h5.38; Mechanical 12 "Да" at 496.75,2437.712 h5.38; Mechanical 12 "1,6" at 461.168,2437.712 h5.38; Mechanical 12 "18" at 524.915,2428.862 h5.38; Mechanical 12 "1,5±0,05" at 422.059,2428.862 h5.38; Mechanical 12 "Да" at 496.75,2428.862 h5.38; Mechanical 12 "2,6" at 460.509,2428.862 h5.38; Mechanical 12 "2" at 525.196,2418.61 h5.38; Mechanical 12 "2,4" at 421.661,2418.61 h5.38; Mechanical 12 "+0,25" at 427.779,2421.3 h3.84; Mechanical 12 "Да" at 496.75,2418.61 h5.38; Mechanical 12 "3,0" at 460.479,2418.61 h5.38; Mechanical 12 "4" at 525.591,2409.658 h5.38; Mechanical 12 "2,8" at 421.424,2409.658 h5.38; Mechanical 12 "+0,25" at 428.016,2412.347 h3.84; Mechanical 12 "Да" at 496.75,2409.658 h5.38; Mechanical 12 "-" at 462.091,2409.658 h5.38